# Altium PCB CL-HC-M-V2.1gerber.PcbDoc (part 14 of 18)
Units mil, origin at the board's own origin, x right, y up, seen from the top; angles counter-clockwise.
Board outline 27559.06 x 27559.06 mil, 2 copper layers (TopLayer, BottomLayer); 757 components, 558 nets, 2605 pads, 2186 vias.
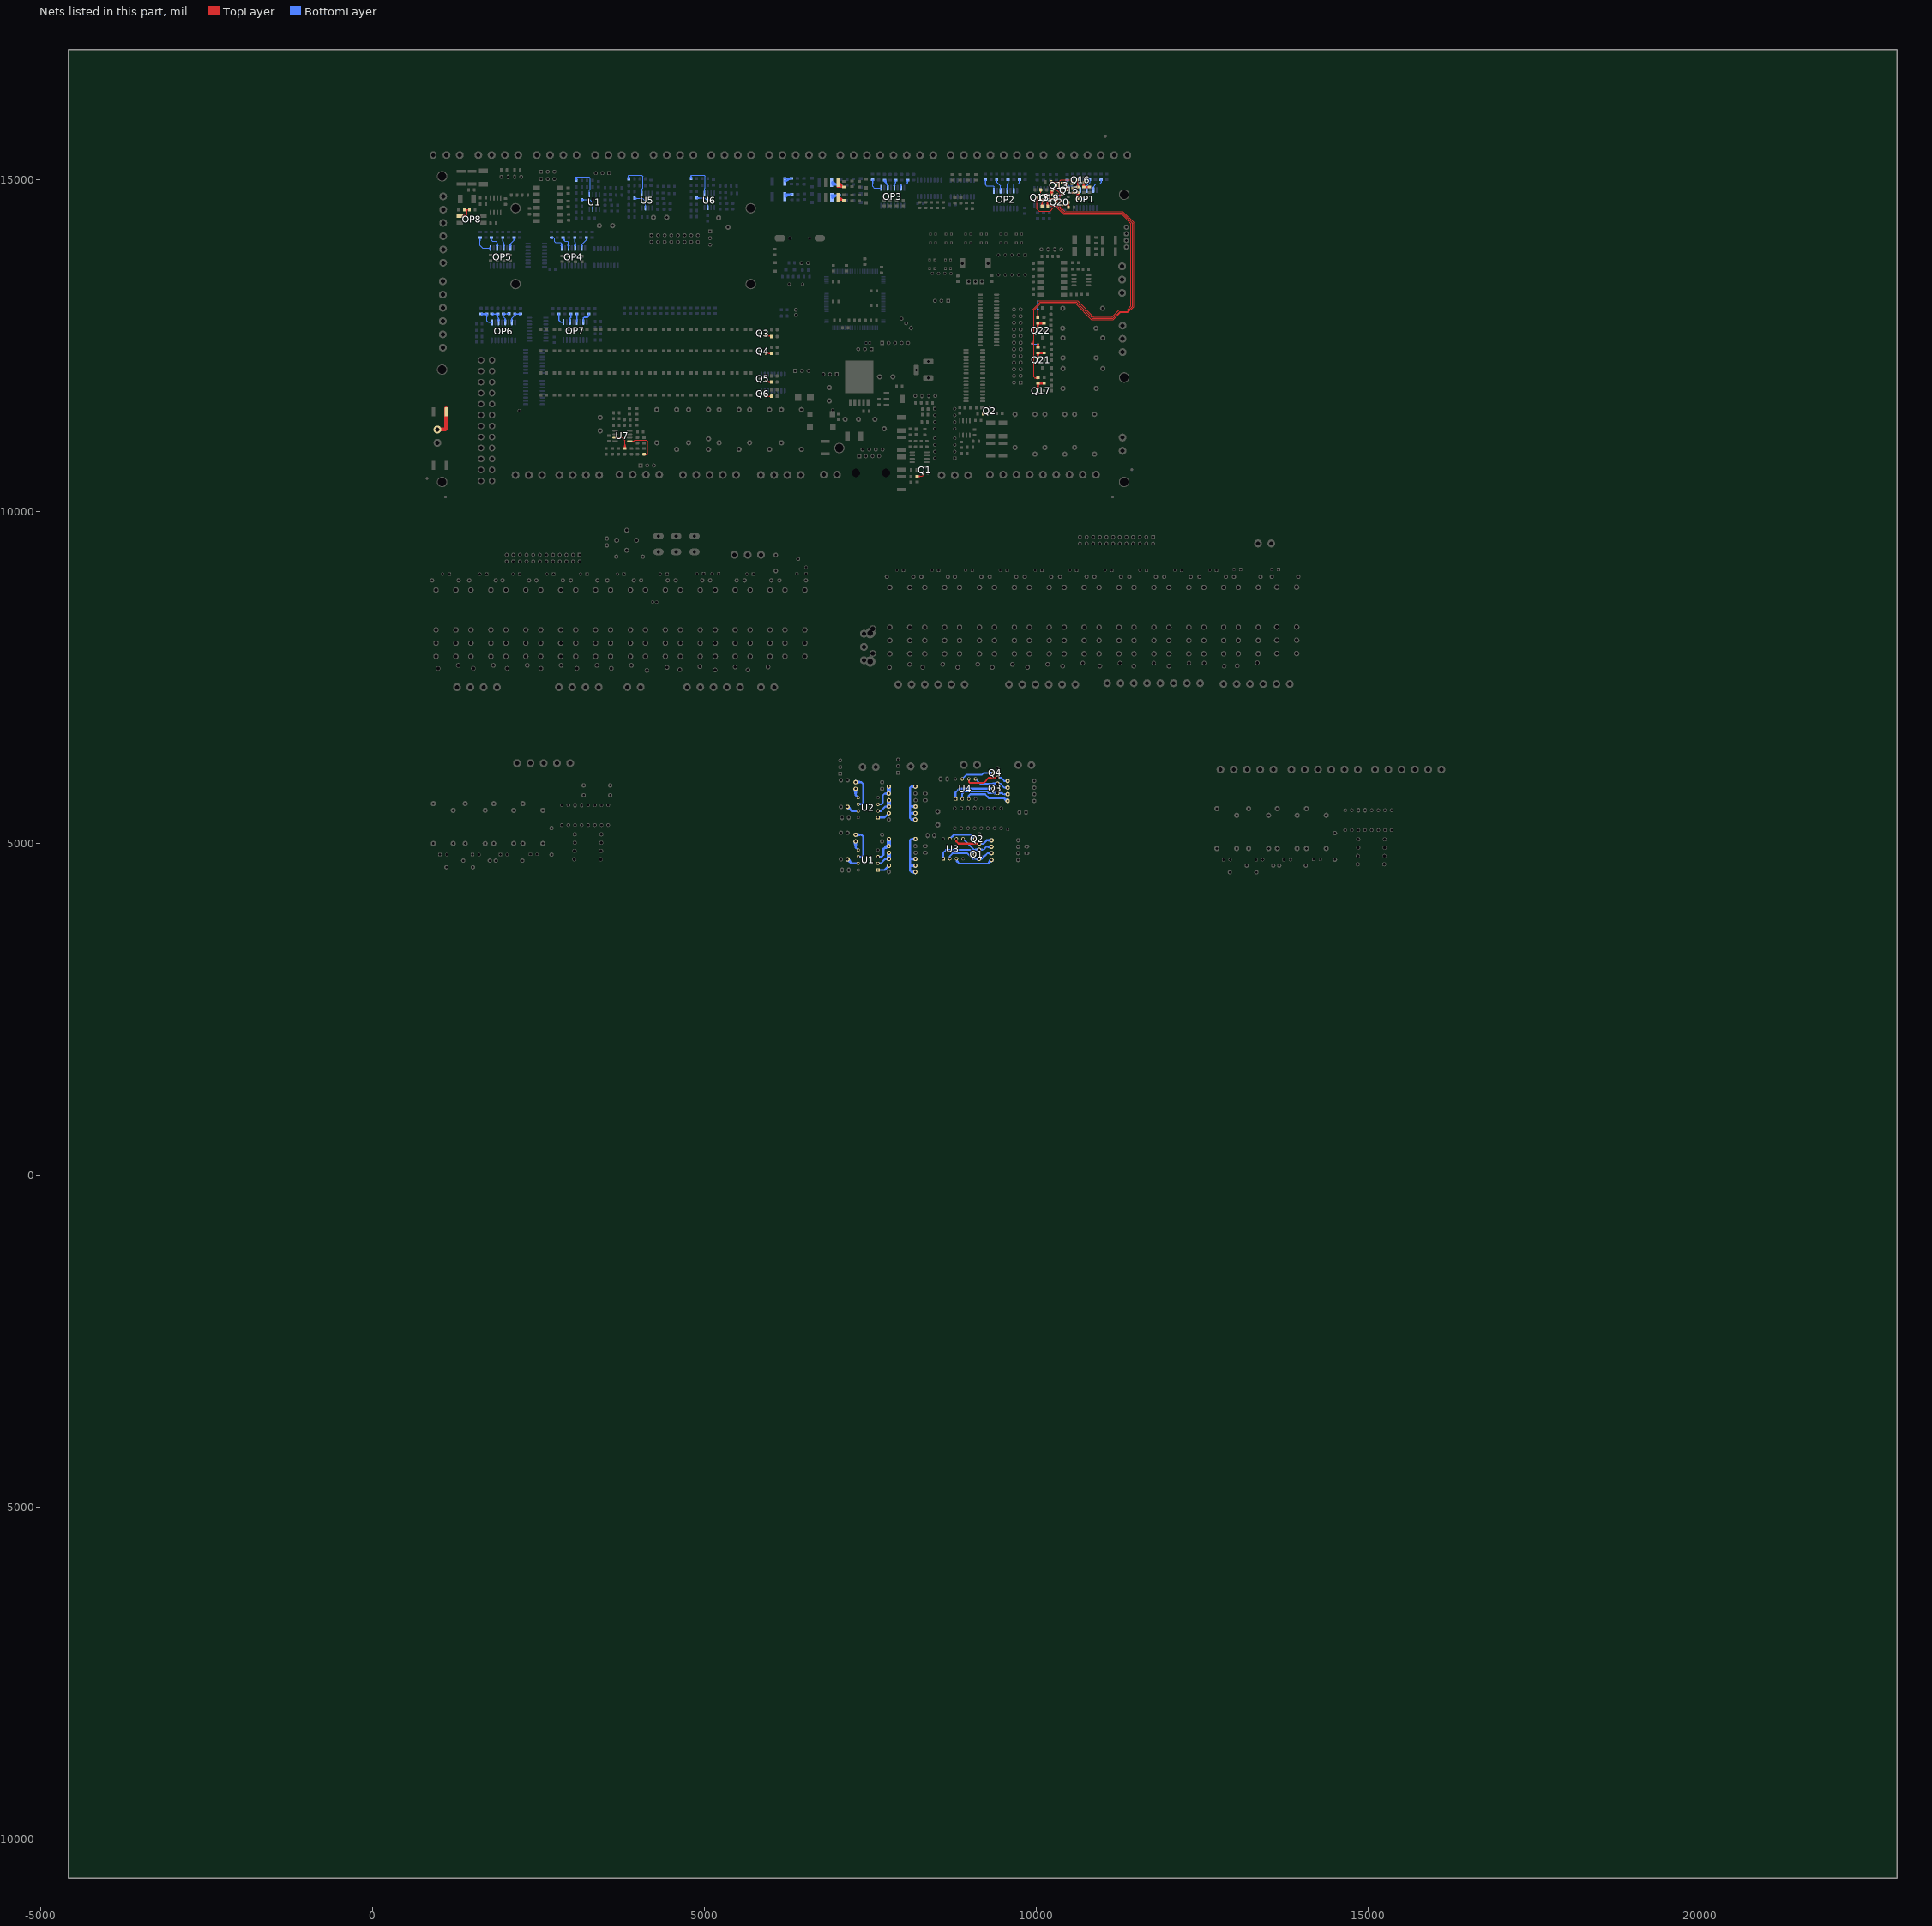
[diagram p14: the nets of this part, all layers, seen from the top]

## Via types
v1: diameter 25, hole 15, TopLayer to BottomLayer, tented both sides, 2146 vias
v2: diameter 20, hole 12, TopLayer to BottomLayer, tented both sides, 24 vias
v3: diameter 25, hole 15, TopLayer to BottomLayer, 13 vias
v4: diameter 50, hole 28, TopLayer to BottomLayer, tented both sides, 2 vias
v5: diameter 40, hole 24, TopLayer to BottomLayer, tented both sides, 1 vias

## Nets (pads, with @x,y where several pads share a name; then routed paths per layer and width w, separated by ;. In a path a pad name is that pad's centre, name@x,y a point inside that pad or via, vN(x,y) a via of type N, cw(c..) or ccw(c..) an arc to the next point about the centre after c; other vN are vias at no path point) (continued)
NetF1_2: F1.2 R1.2@7102.76,14890.04 | length 758.1
  TopLayer w20: F1.2@7003.99,14890.04 R1.2@7102.76,14890.04 ; F1.2@7009.71,14943.69 R1.2@7102.76,14890.04 ; F1.2@7017.25,14955.04 R1.2@7102.76,14890.04 ; F1.2@7017.76,14890.04 R1.2@7097.76,14890.04 ; F1.2@7025.78,14934.42 R1.2@7097.76,14890.04 ; F1.2@7026.16,14965.34 R1.2@7102.76,14890.04 ; F1.2@7029.99,14945.35 R1.2@7097.76,14890.04 ; F1.2@7039.63,14952.1 R1.2@7097.76,14890.04
NetF2_2: F2.2 R2.2@6321.73,14782 | length 884.3
  BottomLayer w20: F2.2@6210.93,14776.46 6236.73,14782 ; F2.2@6210.95,14782 R2.2@6321.73,14782 ; F2.2@6211.61,14790.07 6236.73,14782 ; F2.2@6218.98,14801.52 6236.73,14782 ; R2.2@6316.73,14782 6236.73,14782 ; R2.2@6307.72,14782 6207.78,14759.83 R2.2@6307.77,14782 ; R2.2@6307.72,14782 6217.14,14734.31 R2.2@6307.77,14782 ; R2.2@6307.72,14782 F2.2@6211.61,14746.76 R2.2@6307.77,14782
NetF3_2: F3.2 R3.2@7053.81,14917.19 | length 542.7
  BottomLayer w20: F3.2@6914.27,14944.75 7021.2,14917.19 ; F3.2@6918.48,14957.71 7021.2,14917.19 ; F3.2@6922.38,14917.19 R3.2@7053.81,14917.19 ; F3.2@6924.25,14970.05 7021.2,14917.19 ; 6968.81,14917.19 R3.2@7048.81,14917.19
NetF4_2: F4.2 R7.2@7028.04,14769.21 | length 850.2
  BottomLayer w20: F4.2@6912.38,14773.36 R7.2@7043.81,14773.36 ; F4.2@6916.08,14747.16 R7.2@7017.1,14773.36 ; F4.2@6916.78,14747.37 R7.2@7023.04,14769.21 ; F4.2@6925.55,14721.63 R7.2@7023.04,14769.21 ; F4.2@6926.28,14721.96 R7.2@7017.1,14773.36 ; F4.2@6942.91,14773.36 R7.2@7023.04,14769.21 ; R7.2@7017.1,14773.36 F4.2@6920.36,14734.23 R7.2@7023.04,14769.21
NetF5_2: F5.2 R8.2@7102.76,14690.04 | length 733.1
  TopLayer w20: F5.2@7012.22,14722.38 R8.2@7102.76,14693.71 ; F5.2@7017.25,14691.73 7042.38,14693.71 ; F5.2@7017.25,14735.04 R8.2@7102.76,14693.71 ; F5.2@7019.89,14705.09 7042.38,14693.71 ; F5.2@7021.2,14719.53 R8.2@7097.76,14690.04 ; F5.2@7021.95,14678.94 7042.38,14693.71 ; F5.2@7024.04,14746.85 R8.2@7102.76,14693.71 ; F5.2@7024.66,14731.45 R8.2@7097.76,14690.04 ; F5.2@7029.13,14743.41 R8.2@7097.76,14690.04 ; R8.2@7102.76,14690.04 R8.2@7102.76,14693.71 ; 7042.38,14693.71 R8.2@7102.76,14693.71 ; 7042.38,14693.71 R8.2@7097.76,14690.04
NetF6_2: F6.2 R9.2@6313.23,15019.91 | length 839.2
  BottomLayer w20: F6.2@6202.45,15019.91 R9.2@6313.23,15019.91 ; F6.2@6206.55,14986.61 R9.2@6308.23,15019.91 ; F6.2@6206.65,14986.65 R9.2@6310.6,15019.91 ; F6.2@6218.1,14961.99 R9.2@6310.6,15019.91 ; F6.2@6218.23,14962.06 R9.2@6308.23,15019.91 ; F6.2@6228.23,15019.91 R9.2@6308.23,15019.91 ; R9.2@6308.23,15019.91 F6.2@6211.61,14973.96 R9.2@6310.6,15019.91
NetF16_2: F16.2 P23.2 | length 649
  TopLayer w60: P23.2@977.49,11235.5 1097.02,11235.5 1110.76,11249.24 F16.2@1110.76,11555.62 ; F16.2@1108.01,11460.11 1110.76,11256.47
NetOP1_1: OP1.1 R22.2@10466.61,14995.04 | length 463.9
  BottomLayer w15: R22.2@10454.14,14994.16 10463.86,14945.15 ; R22.2@10478.9,14992.79 10463.86,14945.15 ; OP1.1@10563.86,14843.5 10563.86,14895.66 ; 10463.86,14945.15 10498.96,14910.05 10549.47,14910.05 ; 10463.86,14945.15 10463.86,14998.5 R22.2@10466.61,14995.04 10463.86,14945.15 ; 10549.47,14910.05 10563.86,14895.66 ; 10549.47,14910.05 OP1.1@10563.86,14873.5 ; OP1.1@10563.86,14873.5 10563.86,14895.66 ; OP1.1@10563.86,14873.5 10563.86,14895.66
NetOP1_3: OP1.3 R20.2@10633.86,14998.5 | length 353.8
  BottomLayer w15: R20.2@10621.48,14996.79 10633.86,14952.81 ; R20.2@10646.24,14996.79 10633.86,14952.81 ; OP1.3@10663.86,14843.5 10663.86,14922.81 ; OP1.3@10663.86,14873.5 10663.86,14922.81 ; 10633.86,14952.81 10663.86,14922.81 ; 10633.86,14952.81 R20.2@10633.86,14998.5 10633.86,14952.81
NetOP1_5: OP1.5 R18.2@10804.71,14998.5 | length 354.4
  BottomLayer w15: OP1.5@10763.86,14843.5 10763.86,14908.5 ; OP1.5@10763.86,14873.5 10763.86,14908.5 ; R18.2@10792.31,14996.91 10804.71,14949.35 ; R18.2@10817.1,14996.91 10804.71,14949.35 ; 10763.86,14908.5 10804.71,14949.35 ; 10804.71,14949.35 R18.2@10804.71,14998.5 10804.71,14949.35
NetOP1_7: OP1.7 R10.2@10978.86,14998.5 | length 344.6
  BottomLayer w15: OP1.7@10863.86,14843.5 10863.86,14896.6 ; OP1.7@10863.86,14873.5 10863.86,14896.6 ; R10.2@10966.49,14996.68 10978.86,14955.49 ; R10.2@10978.86,14998.5 10978.86,14955.49 ; R10.2@10991.23,14996.68 10978.86,14955.49 ; 10863.86,14896.6 10905.95,14938.69 10962.07,14938.69 10978.86,14955.49
NetOP2_1: OP2.1 R30.2 | length 494.2
  BottomLayer w15: R30.2@9222.4,14997.3 9234.85,14933.5 ; R30.2@9247.29,14997.3 9234.85,14933.5 ; OP2.1@9362.76,14865.04 9364.85,14895.66 ; OP2.1@9364.85,14843.5 9364.85,14895.66 ; 9234.85,14933.5 R30.2@9234.85,14998.5 9234.85,14923.79 9248.59,14910.05 9350.46,14910.05 9364.85,14895.66
NetOP2_3: OP2.3 R28.2@9404.85,14998.5 | length 322.9
  BottomLayer w15: R28.2@9392.55,14996.25 9404.85,14963.75 ; R28.2@9417.14,14996.25 9404.85,14963.75 ; OP2.3@9462.76,14865.04 9464.85,14903.76 ; OP2.3@9464.85,14843.5 9464.85,14903.76 ; 9404.85,14963.75 R28.2@9404.85,14998.5 9404.85,14963.75 ; 9404.85,14963.75 9464.85,14903.76
NetOP2_5: OP2.5 R26.2@9575.69,14998.5 | length 317.9
  BottomLayer w15: OP2.5@9562.76,14865.04 9564.85,14925.06 ; R26.2@9563.29,14996.91 9575.69,14949.35 ; OP2.5@9564.85,14843.5 9564.85,14938.5 9575.69,14949.35 ; R26.2@9575.69,14998.5 9575.69,14949.35 ; R26.2@9588.09,14996.91 9575.69,14949.35
NetOP2_7: OP2.7 R24.2@9749.85,14998.5 | length 369.2
  BottomLayer w15: OP2.7@9662.76,14865.04 9664.85,14925.05 ; OP2.7@9664.85,14843.5 9664.85,14926.6 9676.94,14938.69 9733.05,14938.69 9749.85,14955.49 ; R24.2@9737.48,14996.68 9749.85,14955.49 ; R24.2@9749.85,14998.5 9749.85,14955.49 ; R24.2@9762.21,14996.68 9749.85,14955.49
NetOP3_1: OP3.1 R15.2@7535.63,14998.78 | length 365.2
  BottomLayer w15: R15.2@7523.19,14997.58 7535.63,14933.78 R15.2@7548.07,14997.58 ; R15.2@7535.63,14998.78 7535.63,14899.56 7557.95,14877.24 OP3.1@7662.38,14877.24
NetOP3_3: OP3.3 R37.2 | length 647.3
  BottomLayer w10: R37.2@7704.98,14988.19 7740.73,14943.58 ; R37.2@7717.81,14995.95 7740.73,14943.58 ; R37.2@7732.22,15000.11 7740.73,14943.58 ; OP3.3@7753.81,14902.09 7725.57,14958.74 ; OP3.3@7762.38,14877.24 7762.38,14921.94 7712.81,14971.5 ; OP3.3@7762.38,14907.24 7725.57,14958.74 ; OP3.3@7770.03,14913.68 7725.57,14958.74 ; 7712.81,14971.5 R37.2@7712.81,14995.95 ; 7712.81,14971.5 7727.09,14991.35 7712.81,14971.5 ; 7712.81,14971.5 7698.53,14991.35 7712.81,14971.5 ; 7712.81,14971.5 R37.2@7712.81,14995.95 ; 7712.81,14971.5 R37.2@7712.81,14995.95
NetOP3_5: OP3.5 R34.2 | length 332
  BottomLayer w10: OP3.5@7852.6,14909.35 7862.38,14930.97 ; OP3.5@7862.38,14877.24 7862.38,14930.97 ; OP3.5@7862.38,14907.24 7862.38,14930.97 ; R34.2@7868.02,14993.43 7882.81,14951.41 ; OP3.5@7872.15,14909.35 7862.38,14930.97 ; R34.2@7897.6,14993.43 7882.81,14951.41 ; 7862.38,14930.97 7882.81,14951.41 ; 7882.81,14951.41 R34.2@7882.81,14995.95 7882.81,14951.41
NetOP3_7: OP3.7 R32.2 | length 356
  BottomLayer w10: OP3.7@7952.61,14909.38 7962.38,14930.61 ; OP3.7@7962.38,14877.24 7962.38,14930.61 ; OP3.7@7962.38,14907.24 7962.38,14930.61 ; OP3.7@7972.14,14909.38 7962.38,14930.61 ; R32.2@8048.07,14993.18 8062.81,14955.33 ; R32.2@8062.81,14995.95 8062.81,14955.33 ; R32.2@8077.55,14993.18 8062.81,14955.33 ; 7962.38,14930.61 7971.32,14939.56 8047.04,14939.56 8062.81,14955.33
NetOP4_1: OP4.1 R53.2 | length 506.7
  BottomLayer w10: R53.2@2697.38,14128.36 2737.12,14128.36 ; R53.2@2702.38,14128.36 2737.12,14128.36 ; R53.2@2705.61,14113.71 2737.12,14128.36 ; R53.2@2705.61,14143 2737.12,14128.36 ; OP4.1@2842.85,14001.39 2852.76,14037.11 ; OP4.1@2852.76,13970.04 2852.76,14037.11 ; OP4.1@2852.76,14000.04 2852.76,14037.11 ; OP4.1@2862.67,14001.39 2852.76,14037.11 ; 2737.12,14128.36 2743.96,14121.51 2743.96,14068.57 2755.98,14056.55 2833.32,14056.55 2852.76,14037.11
NetOP4_3: OP4.3 R55.2 | length 664.3
  BottomLayer w10: R55.2@2859.46,14120.73 2893.86,14077.23 ; R55.2@2872.38,14128.36 2893.86,14077.23 ; R55.2@2886.86,14132.25 2893.86,14077.23 ; OP4.3@2942.82,14001.15 2952.76,14045.04 ; OP4.3@2952.76,13970.04 2952.76,14054.79 2936.17,14071.39 2899.7,14071.39 2867.38,14103.71 ; OP4.3@2952.76,14000.04 2952.76,14045.04 ; OP4.3@2962.7,14001.15 2952.76,14045.04 ; 2867.38,14103.71 R55.2@2867.38,14128.36 ; 2867.38,14103.71 2881.66,14123.79 2867.38,14103.71 ; 2867.38,14103.71 2853.09,14123.79 2867.38,14103.71 ; 2867.38,14103.71 R55.2@2867.38,14128.36 ; 2867.38,14103.71 R55.2@2867.38,14128.36
NetOP4_5: OP4.5 R17.2@3047.38,14128.36 | length 395.5
  BottomLayer w10: R17.2@3032.54,14126.11 3047.38,14078.36 R17.2@3062.21,14126.11 ; OP4.5@3042.82,14001.15 3052.76,14045.04 ; R17.2@3047.38,14128.36 3047.38,14061.91 3052.76,14056.52 OP4.5@3052.76,13970.04 ; OP4.5@3052.76,14000.04 3052.76,14045.04 ; OP4.5@3062.7,14001.15 3052.76,14045.04
NetOP4_7: OP4.7 R16.2@3222.38,14128.36 | length 328.9
  BottomLayer w10: OP4.7@3142.97,14002.09 3152.76,14024.4 ; OP4.7@3152.76,13970.04 3152.76,14024.4 ; OP4.7@3152.76,14000.04 3152.76,14024.4 ; OP4.7@3162.55,14002.09 3152.76,14024.4 ; R16.2@3207.74,14125.08 3222.38,14094.01 ; R16.2@3222.38,14128.36 3222.38,14094.01 ; R16.2@3237.01,14125.08 3222.38,14094.01 ; 3152.76,14024.4 3222.38,14094.01
NetOP5_1: OP5.1 R57.2 | length 532.3
  BottomLayer w10: R57.2@1607.54,14126.11 1622.38,14078.36 ; R57.2@1637.21,14126.11 1622.38,14078.36 ; OP5.1@1776.65,13960.1 1732.76,13970.04 OP5.1@1776.65,13979.98 ; OP5.1@1777.76,13970.04 1658.98,13970.04 1622.38,14006.64 R57.2@1622.38,14128.36 1622.38,14078.36
NetOP5_3: OP5.3 R65.2 | length 451.4
  BottomLayer w10: R65.2@1777.58,14127.11 1792.38,14083.74 ; R65.2@1792.38,14129.57 1792.38,14083.74 ; R65.2@1807.17,14127.11 1792.38,14083.74 ; OP5.3@1867.82,14001.15 1877.76,14045.04 ; OP5.3@1877.76,13970.04 1877.76,14049.38 1855.75,14071.39 1804.73,14071.39 1792.38,14083.74 ; OP5.3@1877.76,14000.04 1877.76,14045.04 ; OP5.3@1887.7,14001.15 1877.76,14045.04
NetOP5_5: OP5.5 R73.2 | length 399.7
  BottomLayer w10: R73.2@1947.54,14126.11 1962.38,14078.36 R73.2@1977.21,14126.11 ; R73.2@1962.38,14128.36 1962.38,14071.91 1977.76,14056.52 OP5.5@1977.76,13970.04 ; OP5.5@1967.82,14001.15 1977.76,14045.04 ; OP5.5@1977.76,14000.04 1977.76,14045.04 ; OP5.5@1987.7,14001.15 1977.76,14045.04
NetOP5_7: OP5.7 R79.2 | length 363.2
  BottomLayer w10: OP5.7@2067.86,14001.47 2077.76,14034.89 ; OP5.7@2077.76,13970.04 2077.76,14034.89 ; OP5.7@2077.76,14000.04 2077.76,14034.89 ; OP5.7@2087.66,14001.47 2077.76,14034.89 ; R79.2@2117.66,14125.46 2132.38,14089.5 ; R79.2@2132.38,14128.36 2132.38,14089.5 ; R79.2@2147.09,14125.46 2132.38,14089.5 ; 2077.76,14034.89 2132.38,14089.5
NetOP6_1: OP6.1 R144.2 R154.1@1721.9,12980.24 | length 1503.3
  BottomLayer w10: R144.2@1636.9,12980.24 R154.1@1721.9,12980.24 1721.9,12873.86 1745.6,12850.16 OP6.1@1799.37,12850.16 1754.37,12850.16 ; R144.2@1641.66,12965.24 1693.67,12971.93 ; R144.2@1641.66,12995.24 1693.67,12988.56 ; R154.1@1707.06,12977.99 1721.9,12930.24 R154.1@1736.73,12977.99 ; R154.1@1714.65,12965.41 1666.9,12980.24 ; R154.1@1714.65,12995.07 1666.9,12980.24 ; R154.1@1716.9,12980.24 1666.9,12980.24 ; OP6.1@1798.26,12840.22 1754.37,12850.16 ; OP6.1@1798.26,12860.09 1754.37,12850.16 ; R144.2@1641.9,12980.24 1693.67,12971.93 ; R144.2@1641.9,12980.24 1666.9,12980.24 ; R144.2@1641.9,12980.24 1693.67,12988.56 ; R144.2@1641.9,12980.24 1666.9,12980.24 ; R144.2@1641.9,12980.24 1691.9,12980.24 ; R144.2@1641.9,12980.24 1666.9,12980.24 ; R144.2@1641.9,12980.24 1691.9,12980.24 ; R144.2@1646.4,12965.93 1666.9,12980.24 ; R144.2@1646.37,12965.92 1693.67,12988.56 ; R144.2@1646.4,12965.93 1666.9,12980.24 ; R144.2@1646.4,12965.93 1666.9,12980.24 ; R144.2@1646.37,12994.56 1693.67,12971.93 ; R144.2@1646.4,12994.55 1666.9,12980.24 ; R144.2@1646.4,12994.55 1666.9,12980.24 ; R144.2@1646.4,12994.55 1666.9,12980.24 ; 1691.9,12980.24 1644.15,12995.07 1691.9,12980.24 ; 1691.9,12980.24 1644.15,12965.41 1691.9,12980.24
NetOP6_3: OP6.3 R145.2 R155.1@1799.26,12980.36 | length 732.8
  BottomLayer w10: R155.1@1799.26,12980.36 R145.2@1886.9,12980.36 1886.9,12929.22 1899.37,12916.75 ; R155.1@1804.26,12980.36 1854.26,12980.36 ; R155.1@1806.51,12965.53 1854.26,12980.36 ; R155.1@1806.51,12995.19 1854.26,12980.36 ; R145.2@1872.06,12978.11 1886.9,12930.36 R145.2@1901.73,12978.11 ; R145.2@1879.65,12965.53 1831.9,12980.36 ; R145.2@1879.65,12995.19 1831.9,12980.36 ; R145.2@1881.9,12980.36 1831.9,12980.36 ; OP6.3@1889.46,12881.52 1899.37,12916.75 ; OP6.3@1899.37,12850.16 1899.37,12916.75 ; OP6.3@1899.37,12880.16 1899.37,12916.75 ; OP6.3@1909.28,12881.52 1899.37,12916.75
NetOP6_5: OP6.5 R146.2 R156.1@1970.4,12980.36 | length 698.2
  BottomLayer w10: R156.1@1955.61,12977.84 1970.4,12935.72 ; R156.1@1975.4,12980.36 2025.4,12980.36 ; R156.1@1977.65,12965.53 2025.4,12980.36 ; R156.1@1977.65,12995.19 2025.4,12980.36 ; R156.1@1985.18,12977.84 1970.4,12935.72 ; OP6.5@1989.55,12882.04 1999.37,12906.75 ; OP6.5@1999.37,12850.16 1999.37,12906.75 ; OP6.5@1999.37,12880.16 1999.37,12906.75 ; OP6.5@2009.19,12882.04 1999.37,12906.75 ; R146.2@2049.35,12996.15 2001.88,12980.36 ; R146.2@2049.95,12966.49 2001.88,12980.36 ; R146.2@2051.9,12981.37 2001.88,12980.36 ; R146.2@2056.9,12981.37 2055.89,12980.36 R156.1@1970.4,12980.36 1970.4,12935.72 ; 1970.4,12935.72 1999.37,12906.75
NetOP6_7: OP6.7 R147.2@2227.76,12980.04 R157.1@2142.5,12980.24 | length 681.1
  BottomLayer w10: OP6.7@2089.51,12881.81 2099.37,12910.45 ; OP6.7@2099.37,12850.16 2099.37,12910.45 ; OP6.7@2099.37,12880.16 2099.37,12910.45 ; OP6.7@2109.23,12881.81 2099.37,12910.45 ; R157.1@2128.11,12976.02 2142.5,12953.58 ; R157.1@2147.5,12980.24 2197.5,12980.24 ; R157.1@2149.75,12965.41 2197.5,12980.24 ; R157.1@2149.75,12995.07 2197.5,12980.24 ; R157.1@2156.9,12976.02 2142.5,12953.58 ; R147.2@2220.45,12965.22 2172.76,12980.24 ; R147.2@2220.57,12994.88 2172.76,12980.24 ; R147.2@2222.76,12980.04 2172.76,12980.24 ; R147.2@2227.76,12980.04 2229.59,12980.24 R157.1@2142.5,12980.24 2142.5,12953.58 ; 2099.37,12910.45 2142.5,12953.58
NetOP7_1: OP7.1 R71.2 | length 304.1
  BottomLayer w20: 2807.76,12900.04 R71.2@2807.76,12980.04 2807.76,12879.95 2832.62,12855.09 ; 2832.62,12855.09 OP7.1@2877.06,12855.09 2832.62,12855.09
NetOP7_3: OP7.3 R70.2 | length 213.6
  BottomLayer w20: OP7.3@2977.06,12855.09 2977.06,12912.26 ; OP7.3@2977.06,12885.09 2977.06,12912.26 ; 2977.06,12912.26 2987.76,12922.96 ; 2987.76,12922.96 R70.2@2987.76,12980.04 2987.76,12922.96
NetOP7_5: OP7.5 R69.2 | length 360.8
  BottomLayer w20: OP7.5@3077.06,12855.09 3077.06,12979.34 R69.2@3077.76,12980.04 ; OP7.5@3077.06,12885.09 R69.2@3077.06,12960.09 ; OP7.5@3077.06,12899.54 R69.2@3077.76,12980.04 ; OP7.5@3077.06,12900.03 R69.2@3077.76,12980.04
NetOP7_7: OP7.7 R68.2 | length 259.8
  BottomLayer w20: OP7.7@3177.06,12855.09 3177.06,12915.7 ; OP7.7@3177.06,12885.09 3177.06,12915.7 ; 3177.06,12915.7 3188.2,12926.84 3243.18,12926.84 3257.76,12941.42 ; 3257.76,12941.42 R68.2@3257.76,12980.04 3257.76,12941.42
NetOP8_1: OP8.1 R143.2 R153.1@1381.07,14546.26 | length 511.1
  TopLayer w20: OP8.1@1316.4,14453.86 1405.55,14453.86 ; OP8.1@1336.08,14453.86 1405.55,14453.86 ; OP8.1@1338.82,14434.53 1405.55,14453.86 ; OP8.1@1338.82,14473.2 1405.55,14453.86 ; R143.2@1458.68,14545.33 1419.4,14545.33 ; 1405.55,14453.86 1419.4,14467.71 1419.4,14545.33 ; 1419.4,14545.33 1381.99,14545.33 R153.1@1381.07,14546.26 1419.4,14545.33
NetQ1_1: Q1.1@9139.67,4906.47 R23.2@9328.14,4949.36 U3.5@8898.14,5068.99 | length 1121
  BottomLayer w25: U3.5@8898.14,5068.99 9060.66,4906.47 ; Q1.1@9137.74,4889.08 9060.66,4906.47 ; Q1.1@9137.74,4923.87 9060.66,4906.47 ; Q1.1@9141.93,4889.12 9207.56,4906.47 ; Q1.1@9141.93,4923.83 9207.56,4906.47 ; R23.2@9325.56,4929.52 9250.45,4949.36 ; R23.2@9325.56,4969.19 9250.45,4949.36 ; 9060.66,4906.47 Q1.1@9139.67,4906.47 ; 9060.66,4906.47 Q1.1@9139.67,4906.47 ; Q1.1@9139.67,4906.47 9207.56,4906.47 ; 9207.56,4906.47 9250.45,4949.36 ; 9250.45,4949.36 R23.2@9328.14,4949.36 9250.45,4949.36
NetQ1_2: Q1.2 R158.2@8206.96,10531.03 U3.1@8598.14,4768.99 | length 1037.3
  TopLayer w15: R158.2@8206.96,10531.03 8282.11,10531.03 8289.97,10538.9 ; R158.2@8211.96,10531.03 8276.96,10531.03 ; R158.2@8213.16,10518.59 8276.96,10531.03 ; R158.2@8213.16,10543.47 8276.96,10531.03 ; Q1.2@8279.87,10572.32 8289.97,10538.9 ; Q1.2@8289.97,10573.82 8289.97,10538.9 ; Q1.2@8289.97,10574.8 8289.97,10538.9 ; Q1.2@8300.08,10572.32 8289.97,10538.9
  BottomLayer w25: U3.1@8598.14,4768.99 8598.14,4859.36 8640.67,4901.89 9006.84,4901.89 Q1.2@9076.6,4832.12
NetQ1_3: Q1.3@9139.67,4763.76 R24.2@9328.66,4852.51 U3.2@8698.14,4768.99 | length 1774.3
  BottomLayer w25: U3.2@8698.14,4768.99 8698.14,4809.36 8738.14,4849.36 8964.28,4849.36 9049.88,4763.76 ; Q1.3@9131.76,4779.37 9243.12,4825.99 ; Q1.3@9137.97,4746.34 9049.88,4763.76 ; Q1.3@9137.97,4781.17 9049.88,4763.76 ; Q1.3@9149.76,4749.45 9243.12,4825.99 ; R24.2@9325.28,4832.8 9269.63,4852.51 ; R24.2@9325.28,4872.22 9269.63,4852.51 ; 9049.88,4763.76 Q1.3@9139.67,4763.76 ; 9049.88,4763.76 Q1.3@9139.67,4763.76 ; Q1.3@9139.67,4763.76 9180.88,4763.76 ; Q1.3@9139.67,4763.76 9243.12,4825.99 ; Q1.3@9139.67,4763.76 9180.88,4763.76 ; 9180.88,4763.76 9269.63,4852.51 ; 9180.88,4763.76 9143.39,4780.86 9180.88,4763.76 ; 9180.88,4763.76 9143.39,4746.66 9180.88,4763.76 ; 9269.63,4852.51 R24.2@9328.66,4852.51 9269.63,4852.51
NetQ2_2: Q2.2 R163.1@9201.04,11471.14 U3.7@8698.14,5068.99 | length 589.7
  TopLayer w20: R163.1@9201.04,11471.14 Q2.2@9263.64,11471.14
  BottomLayer w30: U3.7@8698.14,5068.99 8759.76,5130.61 9014.15,5130.61 ; 9014.15,5130.61 Q2.2@9079.76,5065.01 9014.15,5130.61
NetQ2_3: Q2.3@9142.83,4996.64 R22.2@9329.19,5046.84 U3.6@8798.14,5068.99 | length 952.4
  TopLayer w30: 9022.83,4996.64 Q2.3@9142.83,4996.64 8830.49,4996.64 8798.14,5028.99 ; 8798.14,5028.99 U3.6@8798.14,5068.99 ; 8798.14,5028.99 U3.6@8798.14,5068.99 ; 8798.14,5028.99 U3.6@8798.14,5068.99
  BottomLayer w30: Q2.3@9142.83,4996.64 9205.42,4996.64 9255.62,5046.84 ; R22.2@9327.11,5029.47 9255.62,5046.84 ; R22.2@9327.11,5064.22 9255.62,5046.84 ; R22.2@9329.19,5046.84 9255.62,5046.84
NetQ3_1: Q3.1@9418.14,5899.36 R27.2@9570.82,5839.36 U4.5@9085.07,5969.36 | length 1040
  BottomLayer w25: U4.5@9085.07,5969.36 9155.07,5899.36 Q3.1@9418.14,5899.36 ; Q3.1@9416.68,5881.92 9313.14,5899.36 ; Q3.1@9416.68,5916.8 9313.14,5899.36 ; Q3.1@9421.69,5882.22 9461.31,5899.36 ; Q3.1@9421.69,5916.49 9461.31,5899.36 ; R27.2@9566.78,5819.77 9521.31,5839.36 ; R27.2@9566.78,5858.94 9521.31,5839.36 ; R27.2@9570.82,5839.36 9521.31,5839.36 ; 9313.14,5899.36 Q3.1@9418.14,5899.36 ; Q3.1@9418.14,5899.36 9461.31,5899.36 ; 9461.31,5899.36 9521.31,5839.36
NetQ3_2: Q3.2 R208.1 U4.1@8785.07,5669.36 | length 1132.5
  TopLayer w20: R208.1@6011.13,12635.98 R208.1@5999.07,12648.05 ; R208.1@5999.07,12648.05 Q3.2@5928.65,12648.05 6011.13,12640.98 5929.63,12648.05 R208.1@5999.07,12648.05
  BottomLayer w30: U4.1@8785.07,5669.36 8785.07,5765.92 8844.16,5825.01 Q3.2@9355.07,5825.01 9235.07,5825.01
NetQ3_3: Q3.3@9418.14,5756.64 R28.2@9571.87,5739.72 U4.2@8885.07,5669.36 | length 1386.8
  BottomLayer w25: U4.2@8885.07,5669.36 8885.07,5749.26 8918.31,5782.51 9254.99,5782.51 9280.86,5756.64 Q3.3@9418.14,5756.64 ; Q3.3@9416.68,5739.2 9313.14,5756.64 ; Q3.3@9416.68,5774.08 9313.14,5756.64 ; Q3.3@9420.39,5739.29 9486.31,5756.64 ; Q3.3@9420.39,5774 9486.31,5756.64 ; R28.2@9568.95,5719.94 9503.23,5739.72 ; R28.2@9568.95,5759.51 9503.23,5739.72 ; R28.2@9571.87,5739.72 9503.23,5739.72 ; 9313.14,5756.64 Q3.3@9418.14,5756.64 ; Q3.3@9418.14,5756.64 9486.31,5756.64 ; 9486.31,5756.64 9503.23,5739.72
NetQ4_2: Q4.2 R210.1 U4.7@8885.07,5969.36 | length 1063.2
  TopLayer w20: Q4.2@5928.65,12378.05 5931.58,12380.98 R210.1@6011.13,12380.98 Q4.2@5931.17,12378.1 ; Q4.2@5929.63,12378.05 R210.1@6007.51,12380.98
  BottomLayer w25: U4.7@8885.07,5969.36 8950.07,6034.36 9182.68,6034.36 9206.05,6057.72 Q4.2@9355.07,6057.72 9250.07,6057.72 ; Q4.2@9353.61,6040.28 9250.07,6057.72 ; Q4.2@9353.61,6075.16 9250.07,6057.72
NetQ4_3: Q4.3@9418.14,5989.36 R26.2@9570.82,5939.36 U4.6@8985.07,5969.36 | length 986.2
  TopLayer w25: Q4.3@9418.14,5989.36 9289.64,5989.36 9209.64,5909.36 9004.87,5909.36 8985.07,5929.16 ; 8985.07,5929.16 U4.6@8985.07,5969.36 8985.07,5929.16